# KiCad board _SHEGO75-V2.1.kicad_pcb (continued)
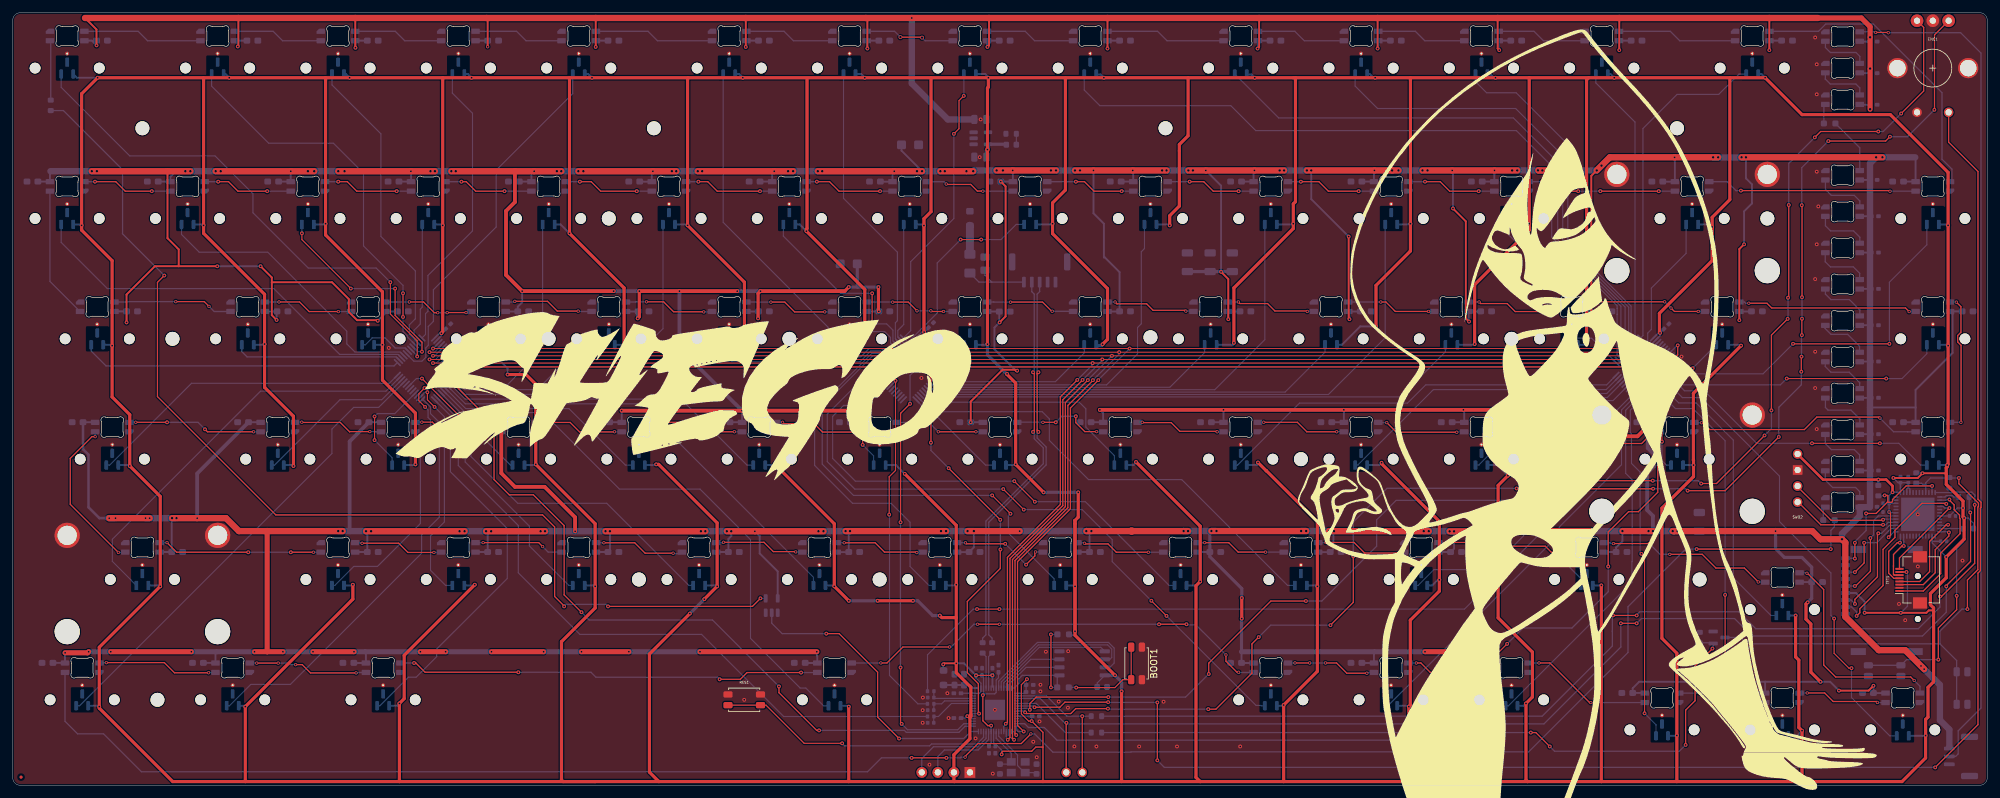
[diagram p0: board, top side]
## Placement (name value [footprint] x y rotation side) (continued)
REF**#4  -  [MountingHole_2.2mm_M2]  237.23 70.69 0 top
REF**#5  -  [MountingHole_2.2mm_M2]  277.71 89.74 0 top
REF**#6  -  [MountingHole_2.2mm_M2]  263.43 104.03 0 top
REF**#7  -  [MountingHole_2.2mm_M2]  20.54 104.03 0 top
REF**#8  5V  [TestPoint_Pad_D1.0mm]  177.11 40.26 0 top
REF**#9  -  [MountingHole_2.2mm_M2]  122.93 70.69 0 top
REF**#10  -  [MountingHole_2.2mm_M2]  137.22 32.59 0 top
REF**#11  -  [Fiducial_0.5mm_Mask1mm]  1.33 1.31 0 top
REF**#12  -  [MountingHole_2.2mm_M2]  182.46 104.03 0 top
REF**#13  -  [MountingHole_2.2mm_M2]  267 32.59 0 top
REF**#14  -  [MountingHole_2.2mm_M2]  203.89 51.64 0 top
REF**#15  -  [MountingHole_2.2mm_M2]  99.12 32.59 0 top
REF**#16  -  [MountingHole_2.2mm_M2]  180.08 70.94 0 top
REF**#17  -  [STAB_MX_P_2.25u]  20.54 32.59 0 top
REF**#18  -  [MountingHole_2.2mm_M2]  25.3 70.69 0 top
REF**#19  -  [MountingHole_2.2mm_M2]  84.83 70.69 0 top
REF**#20  -  [MountingHole_2.2mm_M2]  101.5 104.03 0 top
REF**#21  -  [STAB_MX_P_2u]  265.81 89.74 0 top
RES1  RESET  [SW_SPST_EVQP2_MiddlePushTravel_H2.5mm]  115.79 13.54 0 top
SD1  MEM2075-00-140-01-A  [GCT_MEM2075-00-140-01-A]  301.53 29.74 270 bottom
SWD2  ESP_FLASH  [SWD_Debug_PinHeader_1x04_P2.54mm]  282.5 44.85 180 top
TFT1  FPC_8P_0.50mm  [TFT_FPC_8P_0.5mm]  300.48 32.53 90 top
U1  AP2112K-3.3  [SOT-23-5]  153.23 102.45 0 bottom
U2  W25Q128JVS  [SOIC-8_5.3x5.3mm_P1.27mm]  169.26 19.32 0 bottom
U3  RP2040  [QFN-56-1EP_7x7mm_P0.4mm_EP3.2x3.2mm]  155.46 11.96 180 bottom
U4  SN74LV1T125DBV  [SOT-23-5]  120.14 28.47 90 bottom
U5  ESP32-PICO-D4  [QFN-48-1EP_7x7mm_P0.5mm_EP5.3x5.3mm]  301.53 42.91 270 bottom
UART1  UART  [UART_PinHeader_1x02_P2.54mm]  169.29 2.05 270 top
Y1  12MHz  [Crystal_SMD_3225-4Pin_3.2x2.5mm]  159.16 2.87 0 bottom

## Library data of the parts
AMB1-AMB10 GLO1-GLO3 LED1-LED81 = -: Description: Reverse mount adressable LED (WS2812 protocol)
BOOT1 EN ESP_BOOT RES1 = -: Description: Push button switch, generic, two pins
C1-C21 C24-C29 CA1-CA10 CG1-CG3 CL1-CL81 EC1-EC6 MC1-MC3 = -: Description: Unpolarized capacitor, small symbol; ki_fp_filters: C_*
C22 C23 = -: Description: Polarized capacitor, small symbol; ki_fp_filters: CP_*
D1 = -: Description: Light emitting diode, small symbol; Sim.Pin: 1=K 2=A; ki_fp_filters: LED* LED_SMD:* LED_THT:*
ENC1 = -: Description: Rotary encoder, dual channel, incremental quadrate outputs, with switch and MP Pin; ki_fp_filters: RotaryEncoder*Switch*
F1 = -: Description: Resettable fuse, polymeric positive temperature coefficient, small symbol; ki_fp_filters: *polyfuse* *PTC*
FB1 FB2 = -: Description: Ferrite bead, small symbol; ki_fp_filters: Inductor_* L_* *Ferrite*
HE1-HE81 = -: Datasheet: https://wmsc.lcsc.com/wmsc/upload/file/pdf/v2/lcsc/2310271810_Hallwee-HAL9303SO_C19089525.pdf; Description: Hall effect switch, bipolar, -+1000Gs, 4.7mV/Gs, -40C to +150C, SOT-23; ki_fp_filters: SOT?23*
J1 = -: Description: HEADER 1x4 MALE PINS 0.100” 180deg; Specifications: HEADER 1x4 MALE PINS 0.100” 180deg; Manufacturer: TAD; Part Number: 1-0401FBV0T; ki_fp_filters: Connector*:*_??x*mm* Connector*:*1x??x*mm* Pin?Header?Straight?1X* Pin?Header?Angled?1X* Socket?Strip?Straight?1X* Socket?Strip?Angled?1X*
J3 = -: Description: Generic connectable mounting pin connector, single row, 01x03, script generated (kicad-library-utils/schlib/autogen/connector/); Specifications: HEADER 1x3 MALE PINS 0.100” 180deg; Manufacturer: TAD; Part Number: 1-0301FBV0T; ki_fp_filters: Connector*:*_1x??-1MP*
JST1 = -: Description: Generic connectable mounting pin connector, single row, 01x05, script generated (kicad-library-utils/schlib/autogen/connector/); ki_fp_filters: Connector*:*_1x??-1MP*
MUX1-MUX3 = -: MF: Analog Devices; DESCRIPTION: Analog Multiplexer Single 32: 1 48-Pin TQFP Tray; PACKAGE: TQFP-48 Analog Devices; PRICE: None; Package: TQFP -48 Analog Devices; Check_prices: https://www.snapeda.com/parts/ADG732BSUZ/Analog+Devices/view-part/?ref=eda; STANDARD: IPC7351B; SnapEDA_Link: https://www.snapeda.com/parts/ADG732BSUZ/Analog+Devices/view-part/?ref=snap; Availability: In Stock; Price: None; Description_1: 32-Channel, 4 Ω 1.8 V to 5.5 V, ±2.5 V, Analog Multiplexer
Q1 = -: Datasheet: https://www.onsemi.com/pub/Collateral/BSS138-D.PDF; Description: 50V Vds, 0.22A Id, N-Channel MOSFET, SOT-23; ki_fp_filters: SOT?23*
R1-R7 R11-R18 = -: Description: Resistor, small symbol; ki_fp_filters: R_*
R8-R10 = -: Description: Resistor; ki_fp_filters: R_*
SD1 = -: MF: Global Connector Technology; Description_1: 9 (8 + 1) Position Card Connector microSD Surface Mount, Right Angle Gold; Package: None; Price: None; Check_prices: https://www.snapeda.com/parts/MEM2075-00-140-01-A/Global+Connector+Technology/view-part/?ref=eda; STANDARD: Manufacturer recommendations; PARTREV: A; SnapEDA_Link: https://www.snapeda.com/parts/MEM2075-00-140-01-A/Global+Connector+Technology/view-part/?ref=snap; Availability: In Stock; MANUFACTURER: GCT
SWD2 = -: Description: SWD DEBUG HEADER 1x4 MALE PINS 0.100” 180deg; Specifications: HEADER 1x4 MALE PINS 0.100” 180deg; Manufacturer: TAD; Part Number: 1-0401FBV0T; ki_fp_filters: Connector*:*_??x*mm* Connector*:*1x??x*mm* Pin?Header?Straight?1X* Pin?Header?Angled?1X* Socket?Strip?Straight?1X* Socket?Strip?Angled?1X*
TFT1 = -: Description: 8 pin, 0.5mm pitch FPC connector; ki_fp_filters: Connector*:*_1x??_*
U1 = -: Datasheet: https://www.diodes.com/assets/Datasheets/AP2112.pdf; Description: 600mA low dropout linear regulator, with enable pin, 3.8V-6V input voltage range, 3.3V fixed positive output, SOT-23-5; ki_fp_filters: SOT?23?5*
U2 = -: Datasheet: https://www.winbond.com/resource-files/w25q128jv_dtr%20revc%2003272018%20plus.pdf; Description: 128Mbit / 16MiB Serial Flash Memory, Standard/Dual/Quad SPI, 2.7-3.6V, SOIC-8; ki_fp_filters: *SOIC*5.3x5.3mm*P1.27mm*
U3 = -: Datasheet: https://datasheets.raspberrypi.com/rp2040/rp2040-datasheet.pdf; Description: A microcontroller by Raspberry Pi; ki_fp_filters: QFN*1EP*7x7mm?P0.4mm*
U4 = -: Datasheet: https://www.ti.com/lit/ds/symlink/sn74lv1t125.pdf; Description: Single Power Supply, Single Buffer Gate with 3-State Output, CMOS Logic Level Shifter Level Shifter, SOT-23-5; ki_fp_filters: SOT?23*
U5 = -: Datasheet: https://www.espressif.com/sites/default/files/documentation/esp32-pico_series_datasheet_en.pdf; Description: RF Module, ESP32 SoC, 4MB In-Package flash, Wi-Fi 802.11b/g/n, Bluetooth, BLE, 32-bit, 3.0-3.6V, external antenna, QFN-48; ki_fp_filters: QFN*1EP*7x7mm*P0.5mm*
UART1 = -: Description: Generic connector, single row, 01x02, script generated (kicad-library-utils/schlib/autogen/connector/); ki_fp_filters: Connector*:*_1x??_*
Y1 = -: Description: Four pin crystal, GND on pins 2 and 4; ki_fp_filters: Crystal*

## Footprints (pads in the part's own frame, mm; a bottom-side part is the same pattern mirrored in y, then rotated)
C_0402
  rrect 0.56x0.62 smd: 1(-0.48,0) 2(0.48,0)
C_0402_1005Metric_Pad0.74x0.62mm_HandSolder
  rrect 0.735x0.62 smd: 1(-0.568,0) 2(0.568,0)
C_0603_1608Metric
  rrect 0.9x0.95 smd: 1(-0.775,0) 2(0.775,0)
C_0603_1608Metric_Pad1.08x0.95mm_HandSolder
  rrect 1.075x0.95 smd: 1(-0.863,0) 2(0.863,0)
C_0805_2012Metric
  rrect 1x1.45 smd: 1(-0.95,0) 2(0.95,0)
C_0805_2012Metric_Pad1.18x1.45mm_HandSolder
  rrect 1.175x1.45 smd: 1(-1.038,0) 2(1.038,0)
C_1206_3216Metric
  rrect 1.15x1.8 smd: 1(-1.475,0) 2(1.475,0)
CP_EIA-3216-12_Kemet-S
  rrect 1.415x1.39 smd: 1(-1.353,0) 2(1.353,0)
Crystal_SMD_3225-4Pin_3.2x2.5mm
  rect 1.4x1.2 smd: 1(-1.1,-0.85) 2(1.1,-0.85) 3(1.1,0.85) 4(-1.1,0.85)
DebugPinHeader_1x04_P2.54mm
  rect 1.7x1.7 hole 1: 1(0,0)
  round 1.7 hole 1: 2(0,-2.54) 3(0,-5.08) 4(0,-7.62)
Ferrite_0805_2012Metric_Pad1.05x1.20mm_BigPads
  rrect 1.05x1.2 smd: 1(-1.15,0) 2(1.15,0)
Fiducial_0.5mm_Mask1mm
  round 0.5 smd: (0,0)
Fuse_1206_3216Metric_Pad1.42x1.75mm_HandSolder
  rrect 1.425x1.75 smd: 1(-1.488,0) 2(1.488,0)
GCT_MEM2075-00-140-01-A
  round 0.95 hole 0.95 unplated: (-3.4,0) (3.4,0)
  rect 0.62x1.4 smd: P1(2.58,11.42) P2(1.48,11.42) P3(0.38,11.42) P4(-0.72,11.42) P5(-1.82,11.42) P6(-2.92,11.42) P7(-4.02,11.42) P8(-5.12,11.42) P9(-6.22,11.42)
  rect 1.1x2.4 smd: SH1(-7.6,0.42) SH2(-7.6,9.42) SH3(8.55,9.42) SH4(8.55,0.42)
JST_GH_SM03B-GHS-TB_1x03-1MP_P1.25mm_Horizontal
  rrect 0.6x1.7 smd: 1(-1.25,1.85) 2(0,1.85) 3(1.25,1.85)
  rrect 1x2.7 smd: MP(-3.1,-1.35) MP(3.1,-1.35)
JST_GH_SM05B-GHS-TB_1x05-1MP_P1.25mm_Horizontal
  rrect 0.6x1.7 smd: 1(-2.5,1.85) 2(-1.25,1.85) 3(0,1.85) 4(1.25,1.85) 5(2.5,1.85)
  rrect 1x2.7 smd: MP(-4.35,-1.35) MP(4.35,-1.35)
LED_0603_1608Metric
  rrect 0.875x0.95 smd: 1(-0.788,0) 2(0.788,0)
LED_6028R
  rrect 1.35x0.82 smd: 1(2.725,0.75) 2(2.725,-0.75) 3(-2.725,0.75) 4(-2.725,-0.75)
MountingHole_2.2mm_M2
  round 2.2 hole 2.2 unplated: (0,0)
QFN-48-1EP_7x7mm_P0.5mm_EP5.3x5.3mm
  rrect 1.07x1.07 smd: (-1.98,-1.98) (-1.98,-0.66) (-1.98,0.66) (-1.98,1.98) (-0.66,-1.98) (-0.66,-0.66) (-0.66,0.66) (-0.66,1.98) (0.66,-1.98) (0.66,-0.66) (0.66,0.66) (0.66,1.98) (1.98,-1.98) (1.98,-0.66) (1.98,0.66) (1.98,1.98)
  rrect 0.8x0.25 smd: 1(-3.45,2.75) 2(-3.45,2.25) 3(-3.45,1.75) 4(-3.45,1.25) 5(-3.45,0.75) 6(-3.45,0.25) 7(-3.45,-0.25) 8(-3.45,-0.75) 9(-3.45,-1.25) 10(-3.45,-1.75) 11(-3.45,-2.25) 12(-3.45,-2.75) 25(3.45,-2.75) 26(3.45,-2.25) 27(3.45,-1.75) 28(3.45,-1.25) 29(3.45,-0.75) 30(3.45,-0.25) 31(3.45,0.25) 32(3.45,0.75) 33(3.45,1.25) 34(3.45,1.75) 35(3.45,2.25) 36(3.45,2.75)
  rrect 0.25x0.8 smd: 13(-2.75,-3.45) 14(-2.25,-3.45) 15(-1.75,-3.45) 16(-1.25,-3.45) 17(-0.75,-3.45) 18(-0.25,-3.45) 19(0.25,-3.45) 20(0.75,-3.45) 21(1.25,-3.45) 22(1.75,-3.45) 23(2.25,-3.45) 24(2.75,-3.45) 37(2.75,3.45) 38(2.25,3.45) 39(1.75,3.45) 40(1.25,3.45) 41(0.75,3.45) 42(0.25,3.45) 43(-0.25,3.45) 44(-0.75,3.45) 45(-1.25,3.45) 46(-1.75,3.45) 47(-2.25,3.45) 48(-2.75,3.45)
  rect 5.3x5.3 smd: 49(0,0)
QFN-56-1EP_7x7mm_P0.4mm_EP3.2x3.2mm
  rrect 1.29x1.29 smd: (-0.8,-0.8) (-0.8,0.8) (0.8,-0.8) (0.8,0.8)
  rrect 0.875x0.2 smd: 1(-3.438,2.6) 2(-3.438,2.2) 3(-3.438,1.8) 4(-3.438,1.4) 5(-3.438,1) 6(-3.438,0.6) 7(-3.438,0.2) 8(-3.438,-0.2) 9(-3.438,-0.6) 10(-3.438,-1) 11(-3.438,-1.4) 12(-3.438,-1.8) 13(-3.438,-2.2) 14(-3.438,-2.6) 29(3.438,-2.6) 30(3.438,-2.2) 31(3.438,-1.8) 32(3.438,-1.4) 33(3.438,-1) 34(3.438,-0.6) 35(3.438,-0.2) 36(3.438,0.2) 37(3.438,0.6) 38(3.438,1) 39(3.438,1.4) 40(3.438,1.8) 41(3.438,2.2) 42(3.438,2.6)
  rrect 0.2x0.875 smd: 15(-2.6,-3.438) 16(-2.2,-3.438) 17(-1.8,-3.438) 18(-1.4,-3.438) 19(-1,-3.438) 20(-0.6,-3.438) 21(-0.2,-3.438) 22(0.2,-3.438) 23(0.6,-3.438) 24(1,-3.438) 25(1.4,-3.438) 26(1.8,-3.438) 27(2.2,-3.438) 28(2.6,-3.438) 43(2.6,3.438) 44(2.2,3.438) 45(1.8,3.438) 46(1.4,3.438) 47(1,3.438) 48(0.6,3.438) 49(0.2,3.438) 50(-0.2,3.438) 51(-0.6,3.438) 52(-1,3.438) 53(-1.4,3.438) 54(-1.8,3.438) 55(-2.2,3.438) 56(-2.6,3.438)
  rect 3.2x3.2 smd: 57(0,0)
QFP50P900X900X120-49N
  rrect 1.49x0.28 smd: 1(-4.17,2.75) 2(-4.17,2.25) 3(-4.17,1.75) 4(-4.17,1.25) 5(-4.17,0.75) 6(-4.17,0.25) 7(-4.17,-0.25) 8(-4.17,-0.75) 9(-4.17,-1.25) 10(-4.17,-1.75) 11(-4.17,-2.25) 12(-4.17,-2.75) 25(4.17,-2.75) 26(4.17,-2.25) 27(4.17,-1.75) 28(4.17,-1.25) 29(4.17,-0.75) 30(4.17,-0.25) 31(4.17,0.25) 32(4.17,0.75) 33(4.17,1.25) 34(4.17,1.75) 35(4.17,2.25) 36(4.17,2.75)
  rrect 0.28x1.49 smd: 13(-2.75,-4.17) 14(-2.25,-4.17) 15(-1.75,-4.17) 16(-1.25,-4.17) 17(-0.75,-4.17) 18(-0.25,-4.17) 19(0.25,-4.17) 20(0.75,-4.17) 21(1.25,-4.17) 22(1.75,-4.17) 23(2.25,-4.17) 24(2.75,-4.17) 37(2.75,4.17) 38(2.25,4.17) 39(1.75,4.17) 40(1.25,4.17) 41(0.75,4.17) 42(0.25,4.17) 43(-0.25,4.17) 44(-0.75,4.17) 45(-1.25,4.17) 46(-1.75,4.17) 47(-2.25,4.17) 48(-2.75,4.17)
R_0402
  rrect 0.54x0.64 smd: 1(-0.51,0) 2(0.51,0)
R_0603
  rrect 0.8x0.95 smd: 1(-0.825,0) 2(0.825,0)
R_0603_1608Metric
  rrect 0.8x0.95 smd: 1(-0.825,0) 2(0.825,0)
R_0603_1608Metric_Pad0.98x0.95mm_HandSolder
  rrect 0.975x0.95 smd: 1(-0.912,0) 2(0.912,0)
RotaryEncoder_Alps_EC11E_Vertical_H20mm_CircularMountingHoles
  round 2 hole 1: A(2.5,7.5) B(-2.5,7.5) C(0,7.5)
  round 3.2 hole 2.6: MP(-5.6,0) MP(5.6,0)
  round 1.5 hole 1: S1(2.5,-7) S2(-2.5,-7)
SOIC-8_5.3x5.3mm_P1.27mm
  rrect 1.625x0.65 smd: 1(-3.587,1.905) 2(-3.587,0.635) 3(-3.587,-0.635) 4(-3.587,-1.905) 5(3.587,-1.905) 6(3.587,-0.635) 7(3.587,0.635) 8(3.587,1.905)
SOT-23
  rrect 1.475x0.6 smd: 1(-0.938,0.95) 2(-0.938,-0.95) 3(0.938,0)
SOT-23-5
  rrect 1.325x0.6 smd: 1(-1.137,0.95) 2(-1.137,0) 3(-1.137,-0.95) 4(1.137,-0.95) 5(1.137,0.95)
STAB_MX_P_2.25u
  round 4 hole 3.048: (-11.906,6.985) (11.906,6.985)
  round 3.988 hole 3.988 unplated: (-11.906,-8.255) (11.906,-8.255)
STAB_MX_P_2u
  round 4 hole 3.048: (-11.906,6.985) (11.906,6.985)
  round 3.988 hole 3.988 unplated: (-11.906,-8.255) (11.906,-8.255)
SW_MX_HE_90deg_1.5u
  round 1.7 hole 1.7 unplated: (-5.08,0) (5.08,0)
  rrect 0.6x1.475 smd: 1(-0.95,-0.938) 2(0.95,-0.938) 3(0,0.938)
  round 0.6 hole 0.3: 3(0,2.3)
SW_MX_HE_90deg_1.25u
  round 1.7 hole 1.7 unplated: (-5.08,0) (5.08,0)
  rrect 0.6x1.475 smd: 1(-0.95,-0.938) 2(0.95,-0.938) 3(0,0.938)
  round 0.6 hole 0.3: 3(0,2.3)
SW_MX_HE_90deg_1.75u
  round 1.7 hole 1.7 unplated: (-5.08,0) (5.08,0)
  rrect 0.6x1.475 smd: 1(-0.95,-0.938) 2(0.95,-0.938) 3(0,0.938)
  round 0.6 hole 0.3: 3(0,2.3)
SW_MX_HE_90deg_1u
  round 1.7 hole 1.7 unplated: (-5.08,0) (5.08,0)
  rrect 0.6x1.475 smd: 1(-0.95,-0.938) 2(0.95,-0.938) 3(0,0.938)
  round 0.6 hole 0.3: 3(0,2.3)
SW_MX_HE_90deg_2.00u
  round 1.7 hole 1.7 unplated: (-5.08,0) (5.08,0)
  rrect 0.6x1.475 smd: 1(-0.95,-0.938) 2(0.95,-0.938) 3(0,0.938)
  round 0.6 hole 0.3: 3(0,2.3)
SW_MX_HE_90deg_2.25u
  round 1.7 hole 1.7 unplated: (-5.08,0) (5.08,0)
  rrect 0.6x1.475 smd: 1(-0.95,-0.938) 2(0.95,-0.938) 3(0,0.938)
  round 0.6 hole 0.3: 3(0,2.3)
SW_MX_HE_90deg_6.25u
  round 1.7 hole 1.7 unplated: (-5.08,0) (5.08,0)
  rrect 0.6x1.475 smd: 1(-0.95,-0.938) 2(0.95,-0.938) 3(0,0.938)
  round 0.6 hole 0.3: 3(0,2.3)
SW_SPST_EVQP2_MiddlePushTravel_H2.5mm
  rrect 1.45x1 smd: 1(-2.575,0.85) 1(2.575,0.85) 2(-2.575,-0.85) 2(2.575,-0.85)
SWD_Debug_PinHeader_1x04_P2.54mm
  round 1.5 hole 1: 1(0,0) 2(0,-2.54) 4(0,-7.62)
  rect 1.5x1.5 hole 1: 3(0,-5.08)
TestPoint_Pad_D1.0mm
  round 1.2 smd: 1(0,0)
TFT_FPC_8P_0.5mm
  rect 0.3x1.3 smd: CS(1.75,1.85) DC(-0.25,1.85) GND(-1.25,1.85) LEDA(-1.75,1.85) RES(-0.75,1.85) SCL(0.75,1.85) SDA(0.25,1.85) VDD(1.25,1.85)
  rect 1.8x2.2 smd: MP(-3.65,-1.4) MP(3.65,-1.4)
UART_PinHeader_1x02_P2.54mm
  round 1.5 hole 1: 1(0,0) 2(0,-2.54)

## Nets
3V_RGB: U3.28 U4.2
5V_RGB_IN: R8.1 U4.4
+1V1: C14.1 C15.1 C16.1 U3.23 U3.45 U3.50
+3.3V: C2.1 C6.1 C7.1 C8.1 C9.1 C10.1 C11.1 C12.1 C13.1 C17.1 D1.2 EC1.1 EC2.1 EC3.1 EC4.1 EC5.1 EC6.1 FB1.1 HE1.1 HE2.1 HE3.1 HE4.1 HE5.1 HE6.1 HE7.1 HE8.1 HE9.1 HE10.1 HE11.1 HE12.1 HE13.1 HE14.1 HE15.1 HE16.1 HE17.1 HE18.1 HE19.1 HE20.1 HE21.1 HE22.1 HE23.1 HE24.1 HE25.1 HE26.1 HE27.1 HE28.1 HE29.1 HE30.1 HE31.1 HE32.1 HE33.1 HE34.1 HE35.1 HE36.1 HE37.1 HE38.1 HE39.1 HE40.1 HE41.1 HE42.1 HE43.1 HE44.1 HE45.1 HE46.1 HE47.1 HE48.1 HE49.1 HE50.1 HE51.1 HE52.1 HE53.1 HE54.1 HE55.1 HE56.1 HE57.1 HE58.1 HE59.1 HE60.1 HE61.1 HE62.1 HE63.1 HE64.1 HE65.1 HE66.1 HE67.1 HE68.1 HE69.1 HE70.1 HE71.1 HE72.1 HE73.1 HE74.1 HE75.1 HE76.1 HE77.1 HE78.1 HE79.1 HE80.1 HE81.1 J1.2 MC1.1 MC2.1 MC3.1 MUX1.13 MUX1.14 MUX2.13 MUX2.14 MUX3.13 MUX3.14 R3.2 R6.2 R7.2 R11.2 SD1.P4 SWD2.4 TFT1.VDD U1.5 U2.8 U3.1 U3.10 U3.22 U3.33 U3.42 U3.44 U3.48 U3.49 U5.1 U5.3 U5.4 U5.19 U5.26 U5.37 U5.43 U5.46
+3.3VA: C3.1 C4.1 FB1.2 U3.43
+5V: AMB1.1 AMB2.1 AMB3.1 AMB4.1 AMB5.1 AMB6.1 AMB7.1 AMB8.1 AMB9.1 AMB10.1 C1.1 C18.1 C19.1 C20.1 C21.1 C22.1 C23.1 CA1.1 CA2.1 CA3.1 CA4.1 CA5.1 CA6.1 CA7.1 CA8.1 CA9.1 CA10.1 CG1.1 CG2.1 CG3.1 CL1.1 CL2.1 CL3.1 CL4.1 CL5.1 CL6.1 CL7.1 CL8.1 CL9.1 CL10.1 CL11.1 CL12.1 CL13.1 CL14.1 CL15.1 CL16.1 CL17.1 CL18.1 CL19.1 CL20.1 CL21.1 CL22.1 CL23.1 CL24.1 CL25.1 CL26.1 CL27.1 CL28.1 CL29.1 CL30.1 CL31.1 CL32.1 CL33.1 CL34.1 CL35.1 CL36.1 CL37.1 CL38.1 CL39.1 CL40.1 CL41.1 CL42.1 CL43.1 CL44.1 CL45.1 CL46.1 CL47.1 CL48.1 CL49.1 CL50.1 CL51.1 CL52.1 CL53.1 CL54.1 CL55.1 CL56.1 CL57.1 CL58.1 CL59.1 CL60.1 CL61.1 CL62.1 CL63.1 CL64.1 CL65.1 CL66.1 CL67.1 CL68.1 CL69.1 CL70.1 CL71.1 CL72.1 CL73.1 CL74.1 CL75.1 CL76.1 CL77.1 CL78.1 CL79.1 CL80.1 CL81.1 FB2.2 GLO1.1 GLO2.1 GLO3.1 J3.1 LED1.1 LED2.1 LED3.1 LED4.1 LED5.1 LED6.1 LED7.1 LED8.1 LED9.1 LED10.1 LED11.1 LED12.1 LED13.1 LED14.1 LED15.1 LED16.1 LED17.1 LED18.1 LED19.1 LED20.1 LED21.1 LED22.1 LED23.1 LED24.1 LED25.1 LED26.1 LED27.1 LED28.1 LED29.1 LED30.1 LED31.1 LED32.1 LED33.1 LED34.1 LED35.1 LED36.1 LED37.1 LED38.1 LED39.1 LED40.1 LED41.1 LED42.1 LED43.1 LED44.1 LED45.1 LED46.1 LED47.1 LED48.1 LED49.1 LED50.1 LED51.1 LED52.1 LED53.1 LED54.1 LED55.1 LED56.1 LED57.1 LED58.1 LED59.1 LED60.1 LED61.1 LED62.1 LED63.1 LED64.1 LED65.1 LED66.1 LED67.1 LED68.1 LED69.1 LED70.1 LED71.1 LED72.1 LED73.1 LED74.1 LED75.1 LED76.1 LED77.1 LED78.1 LED79.1 LED80.1 LED81.1 REF**#8.1 U1.1 U1.3 U4.5
GND: AMB1.4 AMB2.4 AMB3.4 AMB4.4 AMB5.4 AMB6.4 AMB7.4 AMB8.4 AMB9.4 AMB10.4 BOOT1.1 C1.2 C2.2 C3.2 C4.2 C5.2 C6.2 C7.2 C8.2 C9.2 C10.2 C11.2 C12.2 C13.2 C14.2 C15.2 C16.2 C17.2 C18.2 C19.2 C20.2 C21.2 C22.2 C23.2 C24.1 C25.1 C26.2 C27.2 C28.2 C29.2 CA1.2 CA2.2 CA3.2 CA4.2 CA5.2 CA6.2 CA7.2 CA8.2 CA9.2 CA10.2 CG1.2 CG2.2 CG3.2 CL1.2 CL2.2 CL3.2 CL4.2 CL5.2 CL6.2 CL7.2 CL8.2 CL9.2 CL10.2 CL11.2 CL12.2 CL13.2 CL14.2 CL15.2 CL16.2 CL17.2 CL18.2 CL19.2 CL20.2 CL21.2 CL22.2 CL23.2 CL24.2 CL25.2 CL26.2 CL27.2 CL28.2 CL29.2 CL30.2 CL31.2 CL32.2 CL33.2 CL34.2 CL35.2 CL36.2 CL37.2 CL38.2 CL39.2 CL40.2 CL41.2 CL42.2 CL43.2 CL44.2 CL45.2 CL46.2 CL47.2 CL48.2 CL49.2 CL50.2 CL51.2 CL52.2 CL53.2 CL54.2 CL55.2 CL56.2 CL57.2 CL58.2 CL59.2 CL60.2 CL61.2 CL62.2 CL63.2 CL64.2 CL65.2 CL66.2 CL67.2 CL68.2 CL69.2 CL70.2 CL71.2 CL72.2 CL73.2 CL74.2 CL75.2 CL76.2 CL77.2 CL78.2 CL79.2 CL80.2 CL81.2 EC1.2 EC2.2 EC3.2 EC4.2 EC5.2 EC6.2 EN.1 ENC1.C ENC1.MP ENC1.S2 ESP_BOOT.2 GLO1.4 GLO2.4 GLO3.4 HE1.3 HE2.3 HE3.3 HE4.3 HE5.3 HE6.3 HE7.3 HE8.3 HE9.3 HE10.3 HE11.3 HE12.3 HE13.3 HE14.3 HE15.3 HE16.3 HE17.3 HE18.3 HE19.3 HE20.3 HE21.3 HE22.3 HE23.3 HE24.3 HE25.3 HE26.3 HE27.3 HE28.3 HE29.3 HE30.3 HE31.3 HE32.3 HE33.3 HE34.3 HE35.3 HE36.3 HE37.3 HE38.3 HE39.3 HE40.3 HE41.3 HE42.3 HE43.3 HE44.3 HE45.3 HE46.3 HE47.3 HE48.3 HE49.3 HE50.3 HE51.3 HE52.3 HE53.3 HE54.3 HE55.3 HE56.3 HE57.3 HE58.3 HE59.3 HE60.3 HE61.3 HE62.3 HE63.3 HE64.3 HE65.3 HE66.3 HE67.3 HE68.3 HE69.3 HE70.3 HE71.3 HE72.3 HE73.3 HE74.3 HE75.3 HE76.3 HE77.3 HE78.3 HE79.3 HE80.3 HE81.3 J1.1 J3.3 J3.MP JST1.4 JST1.5 JST1.MP LED1.4 LED2.4 LED3.4 LED4.4 LED5.4 LED6.4 LED7.4 LED8.4 LED9.4 LED10.4 LED11.4 LED12.4 LED13.4 LED14.4 LED15.4 LED16.4 LED17.4 LED18.4 LED19.4 LED20.4 LED21.4 LED22.4 LED23.4 LED24.4 LED25.4 LED26.4 LED27.4 LED28.4 LED29.4 LED30.4 LED31.4 LED32.4 LED33.4 LED34.4 LED35.4 LED36.4 LED37.4 LED38.4 LED39.4 LED40.4 LED41.4 LED42.4 LED43.4 LED44.4 LED45.4 LED46.4 LED47.4 LED48.4 LED49.4 LED50.4 LED51.4 LED52.4 LED53.4 LED54.4 LED55.4 LED56.4 LED57.4 LED58.4 LED59.4 LED60.4 LED61.4 LED62.4 LED63.4 LED64.4 LED65.4 LED66.4 LED67.4 LED68.4 LED69.4 LED70.4 LED71.4 LED72.4 LED73.4 LED74.4 LED75.4 LED76.4 LED77.4 LED78.4 LED79.4 LED80.4 LED81.4 MC1.2 MC2.2 MC3.2 MUX1.22 MUX1.23 MUX1.24 MUX2.6 MUX2.22 MUX2.23 MUX2.24 MUX2.33 MUX2.37 MUX2.38 MUX2.39 MUX2.40 MUX2.45 MUX2.46 MUX3.2 MUX3.4 MUX3.6 MUX3.8 MUX3.22 MUX3.23 MUX3.24 MUX3.28 MUX3.30 MUX3.32 Q1.2 R1.2 R15.1 REF**#3. REF**#17. REF**#21. RES1.1 SD1.P6 SD1.SH1 SD1.SH2 SD1.SH3 SD1.SH4 SWD2.3 TFT1.GND TFT1.MP U1.2 U2.4 U3.19 U3.57 U4.1 U4.3 U5.49 Y1.2 Y1.4
VBUS: C5.1 F1.1 JST1.1
/CARD_DETECT: R11.1 SD1.P9 U5.11
/ESP_EN: C26.1 EN.2 Q1.3 R6.1 U5.9
/ESP_IO0: ESP_BOOT.1 R7.1 U5.23
/ESP_RX: R12.1 U5.12
/ESP_TX: R13.1 U5.13
/FB1: F1.2 FB2.1
/GATE: Q1.1 R14.2 R15.2
/GP0_TX: R12.2 U3.2 UART1.1
/GP1_RX: R13.2 U3.3 UART1.2
/GPIO3: R14.1 U3.5
/GPIO7: U3.9
/GPIO8: U3.11
/GPIO9: U3.12
/GPIO16: U3.27
/GPIO20: U3.31
/GPIO21: U3.32
/GPIO23: U3.35
/GPIO24: U3.36
/GPIO25: U3.37
/GPIO26: C27.1 R16.1 U3.38
/GPIO27: C28.1 R17.1 U3.39
/GPIO28: C29.1 R18.1 U3.40
/GPIO29: U3.41
/leds/AMB_OUT: AMB10.2 R10.1
/leds/LED_EXP: GLO3.2 J3.2
/leds/LED_IN: LED1.3 R8.2
/leds/LED_OUT: LED72.2 R9.2
/MCU_D+: R4.2 U3.47
/MCU_D-: R5.1 U3.46
/QSPI_SCLK: U2.6 U3.52
/QSPI_SD0: U2.5 U3.53
/QSPI_SD1: U2.2 U3.55
/QSPI_SD2: U2.3 U3.54
/QSPI_SD3: U2.7 U3.51
/QSPI_SS: R2.1 R3.1 U2.1 U3.56
/RUN: RES1.2 U3.26
/RXD0_IO3: SWD2.1 U5.40
/SD_CLK: SD1.P5 U5.42
/SD_CS: SD1.P2 U5.15
/SD_MISO: SD1.P7 U5.38
/SD_MOSI: SD1.P3 U5.39
/sensors/HE1_Esc: HE1.2 MUX1.7
/sensors/HE2_F1: HE2.2 MUX1.9
/sensors/HE3_F2: HE3.2 MUX1.10
/sensors/HE4_F3: HE4.2 MUX1.12
/sensors/HE5_F4: HE5.2 MUX1.5
/sensors/HE6_F5: HE6.2 MUX2.5
/sensors/HE7_F6: HE7.2 MUX2.10
/sensors/HE8_F7: HE8.2 MUX2.12
/sensors/HE9_F8: HE9.2 MUX3.5
/sensors/HE10_F9: HE10.2 MUX3.7
/sensors/HE11_F10: HE11.2 MUX3.9
/sensors/HE12_F11: HE12.2 MUX3.10
/sensors/HE13_F12: HE13.2 MUX3.11
/sensors/HE14_Del: HE14.2 MUX3.12
/sensors/HE15_Grave: HE15.2 MUX1.3
/sensors/HE16_1: HE16.2 MUX1.4
/sensors/HE17_2: HE17.2 MUX1.8
/sensors/HE18_3: HE18.2 MUX1.11
/sensors/HE19_4: HE19.2 MUX1.26
/sensors/HE20_5: HE20.2 MUX1.28
/sensors/HE21_6: HE21.2 MUX2.9
/sensors/HE22_7: HE22.2 MUX2.11
/sensors/HE23_8: HE23.2 MUX2.7
/sensors/HE24_9: HE24.2 MUX2.27
/sensors/HE25_0: HE25.2 MUX2.29
/sensors/HE26_Minus: HE26.2 MUX2.31
/sensors/HE27_Equals: HE27.2 MUX3.3
/sensors/HE28_Backspace: HE28.2 MUX3.36
/sensors/HE29_Home: HE29.2 MUX3.25
/sensors/HE30_Tab: HE30.2 MUX1.1
/sensors/HE31_Q: HE31.2 MUX1.2
/sensors/HE32_W: HE32.2 MUX1.6
/sensors/HE33_E: HE33.2 MUX1.25
/sensors/HE34_R: HE34.2 MUX1.27
/sensors/HE35_T: HE35.2 MUX2.4
/sensors/HE36_Y: HE36.2 MUX2.8
/sensors/HE37_U: HE37.2 MUX2.25
/sensors/HE38_I: HE38.2 MUX2.26
/sensors/HE39_O: HE39.2 MUX2.28
/sensors/HE40_P: HE40.2 MUX2.30
/sensors/HE41_LeftBracket: HE41.2 MUX2.32
/sensors/HE42_RightBracket: HE42.2 MUX3.1
/sensors/HE43_Backslash: HE43.2 MUX3.34
/sensors/HE44_PgUp: HE44.2 MUX3.26
/sensors/HE45_CapsLock: HE45.2 MUX1.48
/sensors/HE46_A: HE46.2 MUX1.46
/sensors/HE47_S: HE47.2 MUX1.40
/sensors/HE48_D: HE48.2 MUX1.33
/sensors/HE49_F: HE49.2 MUX1.31
/sensors/HE50_G: HE50.2 MUX1.29
/sensors/HE51_H: HE51.2 MUX2.47
/sensors/HE52_J: HE52.2 MUX2.36
/sensors/HE53_K: HE53.2 MUX2.34
/sensors/HE54_L: HE54.2 MUX3.48
/sensors/HE55_Semicolon: HE55.2 MUX3.47
/sensors/HE56_Quote: HE56.2 MUX3.46
/sensors/HE57_Enter: HE57.2 MUX3.35
/sensors/HE58_PgDn: HE58.2 MUX3.27
/sensors/HE59_ShiftL: HE59.2 MUX1.47
/sensors/HE60_Z: HE60.2 MUX1.39
/sensors/HE61_X: HE61.2 MUX1.38
/sensors/HE62_C: HE62.2 MUX1.35
/sensors/HE63_V: HE63.2 MUX1.34
/sensors/HE64_B: HE64.2 MUX1.30
/sensors/HE65_N: HE65.2 MUX2.3
/sensors/HE66_M: HE66.2 MUX2.2
/sensors/HE67_Comma: HE67.2 MUX2.48
/sensors/HE68_Period: HE68.2 MUX2.35
/sensors/HE69_Slash: HE69.2 MUX3.45
/sensors/HE70_ShiftR: HE70.2 MUX3.39
/sensors/HE71_ArrowUp: HE71.2 MUX3.31
/sensors/HE72_CtrlL: HE72.2 MUX1.45
/sensors/HE73_Win: HE73.2 MUX1.37
/sensors/HE74_AltL: HE74.2 MUX1.36
/sensors/HE75_Space: HE75.2 MUX1.32
/sensors/HE76_AltR: HE76.2 MUX2.1
/sensors/HE77_Fn: HE77.2 MUX3.40
/sensors/HE78_CtrlR: HE78.2 MUX3.38
/sensors/HE79_ArrowLeft: HE79.2 MUX3.37
/sensors/HE80_ArrowDown: HE80.2 MUX3.33
/sensors/HE81_ArrowRight: HE81.2 MUX3.29
/SWCLK: J1.3 U3.24
/SWDIO: J1.4 U3.25
/TFT_BL: TFT1.LEDA U5.14
/TFT_CS: TFT1.CS U5.16
/TFT_DC: TFT1.DC U5.22
/TFT_MOSI: TFT1.SDA U5.36
/TFT_RES: TFT1.RES U5.24
/TFT_SCK: TFT1.SCL U5.35
/TXD0_IO1: SWD2.2 U5.41
/USB_BOOT: BOOT1.2 R2.2
/XIN: C24.2 U3.20 Y1.3
/XOUT: C25.2 U3.21 Y1.1
AMB_IN: AMB1.3 R9.1
D+: JST1.3 R4.1
D-: JST1.2 R5.2
ENC_A: ENC1.A U3.7
ENC_B: ENC1.B U3.8
ENC_SW: ENC1.S1 U3.6
MUX1: MUX1.43 R16.2
MUX2: MUX2.43 R17.2
MUX3: MUX3.43 R18.2
MUX_A0: MUX1.15 MUX2.15 MUX3.15 U3.14
MUX_A1: MUX1.16 MUX2.16 MUX3.16 U3.15
MUX_A2: MUX1.17 MUX2.17 MUX3.17 U3.16
MUX_A3: MUX1.18 MUX2.18 MUX3.18 U3.17
MUX_A4: MUX1.19 MUX2.19 MUX3.19 U3.18
MUX_CS1: MUX1.20 U3.29
MUX_CS2: MUX2.20 U3.30
MUX_CS3: MUX3.20 U3.13
MUX_WR: MUX1.21 MUX2.21 MUX3.21 U3.34
STATUS: GLO1.3 R10.2
Net-(AMB1-DOUT): AMB1.2 AMB2.3
Net-(AMB2-DOUT): AMB2.2 AMB3.3
Net-(AMB3-DOUT): AMB3.2 AMB4.3
Net-(AMB4-DOUT): AMB4.2 AMB5.3
Net-(AMB5-DOUT): AMB5.2 AMB6.3
Net-(AMB6-DOUT): AMB6.2 AMB7.3
Net-(AMB7-DOUT): AMB7.2 AMB8.3
Net-(AMB8-DOUT): AMB8.2 AMB9.3
Net-(AMB10-DIN): AMB9.2 AMB10.3
Net-(D1-K): D1.1 R1.1
Net-(GLO1-DOUT): GLO1.2 GLO2.3
Net-(GLO2-DOUT): GLO2.2 GLO3.3
Net-(LED1-DOUT): LED1.2 LED2.3
Net-(LED2-DOUT): LED2.2 LED3.3
Net-(LED3-DOUT): LED3.2 LED4.3
Net-(LED4-DOUT): LED4.2 LED5.3
Net-(LED5-DOUT): LED5.2 LED6.3
Net-(LED6-DOUT): LED6.2 LED7.3
Net-(LED7-DOUT): LED7.2 LED8.3
Net-(LED8-DOUT): LED8.2 LED9.3
Net-(LED10-DIN): LED9.2 LED10.3
Net-(LED10-DOUT): LED10.2 LED11.3
Net-(LED11-DOUT): LED11.2 LED12.3
Net-(LED12-DOUT): LED12.2 LED13.3
Net-(LED13-DOUT): LED13.2 LED14.3
Net-(LED14-DOUT): LED14.2 LED29.3
Net-(LED15-DIN): LED15.3 LED16.2
Net-(LED15-DOUT): LED15.2 LED30.3
Net-(LED16-DIN): LED16.3 LED17.2
Net-(LED17-DIN): LED17.3 LED18.2
Net-(LED18-DIN): LED18.3 LED19.2
Net-(LED19-DIN): LED19.3 LED20.2
Net-(LED20-DIN): LED20.3 LED21.2
Net-(LED21-DIN): LED21.3 LED22.2
Net-(LED22-DIN): LED22.3 LED23.2
Net-(LED23-DIN): LED23.3 LED24.2
Net-(LED24-DIN): LED24.3 LED25.2
Net-(LED25-DIN): LED25.3 LED26.2
Net-(LED26-DIN): LED26.3 LED27.2
Net-(LED27-DIN): LED27.3 LED28.2
Net-(LED28-DIN): LED28.3 LED29.2
Net-(LED30-DOUT): LED30.2 LED31.3
Net-(LED31-DOUT): LED31.2 LED32.3
Net-(LED32-DOUT): LED32.2 LED33.3
Net-(LED33-DOUT): LED33.2 LED34.3
Net-(LED34-DOUT): LED34.2 LED35.3
Net-(LED35-DOUT): LED35.2 LED36.3
Net-(LED36-DOUT): LED36.2 LED37.3
Net-(LED37-DOUT): LED37.2 LED38.3
Net-(LED38-DOUT): LED38.2 LED39.3
Net-(LED39-DOUT): LED39.2 LED40.3
Net-(LED40-DOUT): LED40.2 LED41.3
Net-(LED41-DOUT): LED41.2 LED42.3
Net-(LED42-DOUT): LED42.2 LED43.3
Net-(LED43-DOUT): LED43.2 LED44.3
Net-(LED44-DOUT): LED44.2 LED58.3
Net-(LED45-DIN): LED45.3 LED46.2
Net-(LED45-DOUT): LED45.2 LED59.3
Net-(LED46-DIN): LED46.3 LED47.2
Net-(LED47-DIN): LED47.3 LED48.2
Net-(LED48-DIN): LED48.3 LED49.2
Net-(LED49-DIN): LED49.3 LED50.2
Net-(LED50-DIN): LED50.3 LED51.2
Net-(LED51-DIN): LED51.3 LED52.2
Net-(LED52-DIN): LED52.3 LED53.2
Net-(LED53-DIN): LED53.3 LED54.2
Net-(LED54-DIN): LED54.3 LED55.2
Net-(LED55-DIN): LED55.3 LED56.2
Net-(LED56-DIN): LED56.3 LED57.2
Net-(LED57-DIN): LED57.3 LED58.2
Net-(LED59-DOUT): LED59.2 LED60.3
Net-(LED60-DOUT): LED60.2 LED61.3
Net-(LED61-DOUT): LED61.2 LED62.3
Net-(LED62-DOUT): LED62.2 LED63.3
Net-(LED63-DOUT): LED63.2 LED64.3
Net-(LED64-DOUT): LED64.2 LED65.3
Net-(LED65-DOUT): LED65.2 LED66.3
Net-(LED66-DOUT): LED66.2 LED67.3
Net-(LED67-DOUT): LED67.2 LED68.3
Net-(LED68-DOUT): LED68.2 LED69.3
Net-(LED69-DOUT): LED69.2 LED70.3
Net-(LED70-DOUT): LED70.2 LED71.3
Net-(LED71-DOUT): LED71.2 LED81.3
Net-(LED72-DIN): LED72.3 LED73.2
Net-(LED73-DIN): LED73.3 LED74.2
Net-(LED74-DIN): LED74.3 LED75.2
Net-(LED75-DIN): LED75.3 LED76.2
Net-(LED76-DIN): LED76.3 LED77.2
Net-(LED77-DIN): LED77.3 LED78.2
Net-(LED78-DIN): LED78.3 LED79.2
Net-(LED79-DIN): LED79.3 LED80.2
Net-(LED80-DIN): LED80.3 LED81.2

Pads without a net: MUX1 41 42 44; MUX2 41 42 44; MUX3 41 42 44; SD1 P1 P8; U1 4; U3 4; U5 2 5 6 7 8 10 17 18 20 21 25 27 28 29 30 31 32 33 34 44 45 47 48

## Via types
v1: diameter 0.6, hole 0.3, Top to Bottom, 506 vias
v2: diameter 0.7, hole 0.3, Top to Bottom, 1 via
v3: diameter 0.5, hole 0.3, Top to Bottom, 127 vias
v4: diameter 0.6, hole 0.4, Top to Bottom, 120 vias

## Routing (per net, layer and track width the routed paths; a pad name or vN(x,y) marks a point on that pad's centre or on a via; arc(x,y) is an arc through that point)
3V_RGB: length 45.9
  Top w0.2: v1(140.3,7.42) 136.9,10.81 136.9,17.92 130.81,24.02 v1(128.77,24.02)
  Bottom w0.2: U3.28 151.63,8.53 150.53,7.42 v1(140.3,7.42) ; 120.14,26.69 120.14,25.67 121.79,24.02 v1(128.77,24.02)
5V_RGB_IN: length 171.6
  Top w0.2: v1(87.28,28.34) 87.28,28.41 85.78,29.91 85.78,40.91 83.87,42.82 41.65,42.82 22.92,61.55 22.92,79.63 v1(24,80.72) ; v1(118.36,29.61) 117.09,28.34 v1(94.23,28.34)
  Bottom w0.2: v1(24,80.72) 17.39,87.33 17.39,97.48 8.04,106.83 R8.1 ; v1(87.28,28.34) 87.6,28.66 93.91,28.66 v1(94.23,28.34) ; v1(118.36,29.61) 118.37,29.6 U4.4
